# KiCad board impeller18.kicad_pcb
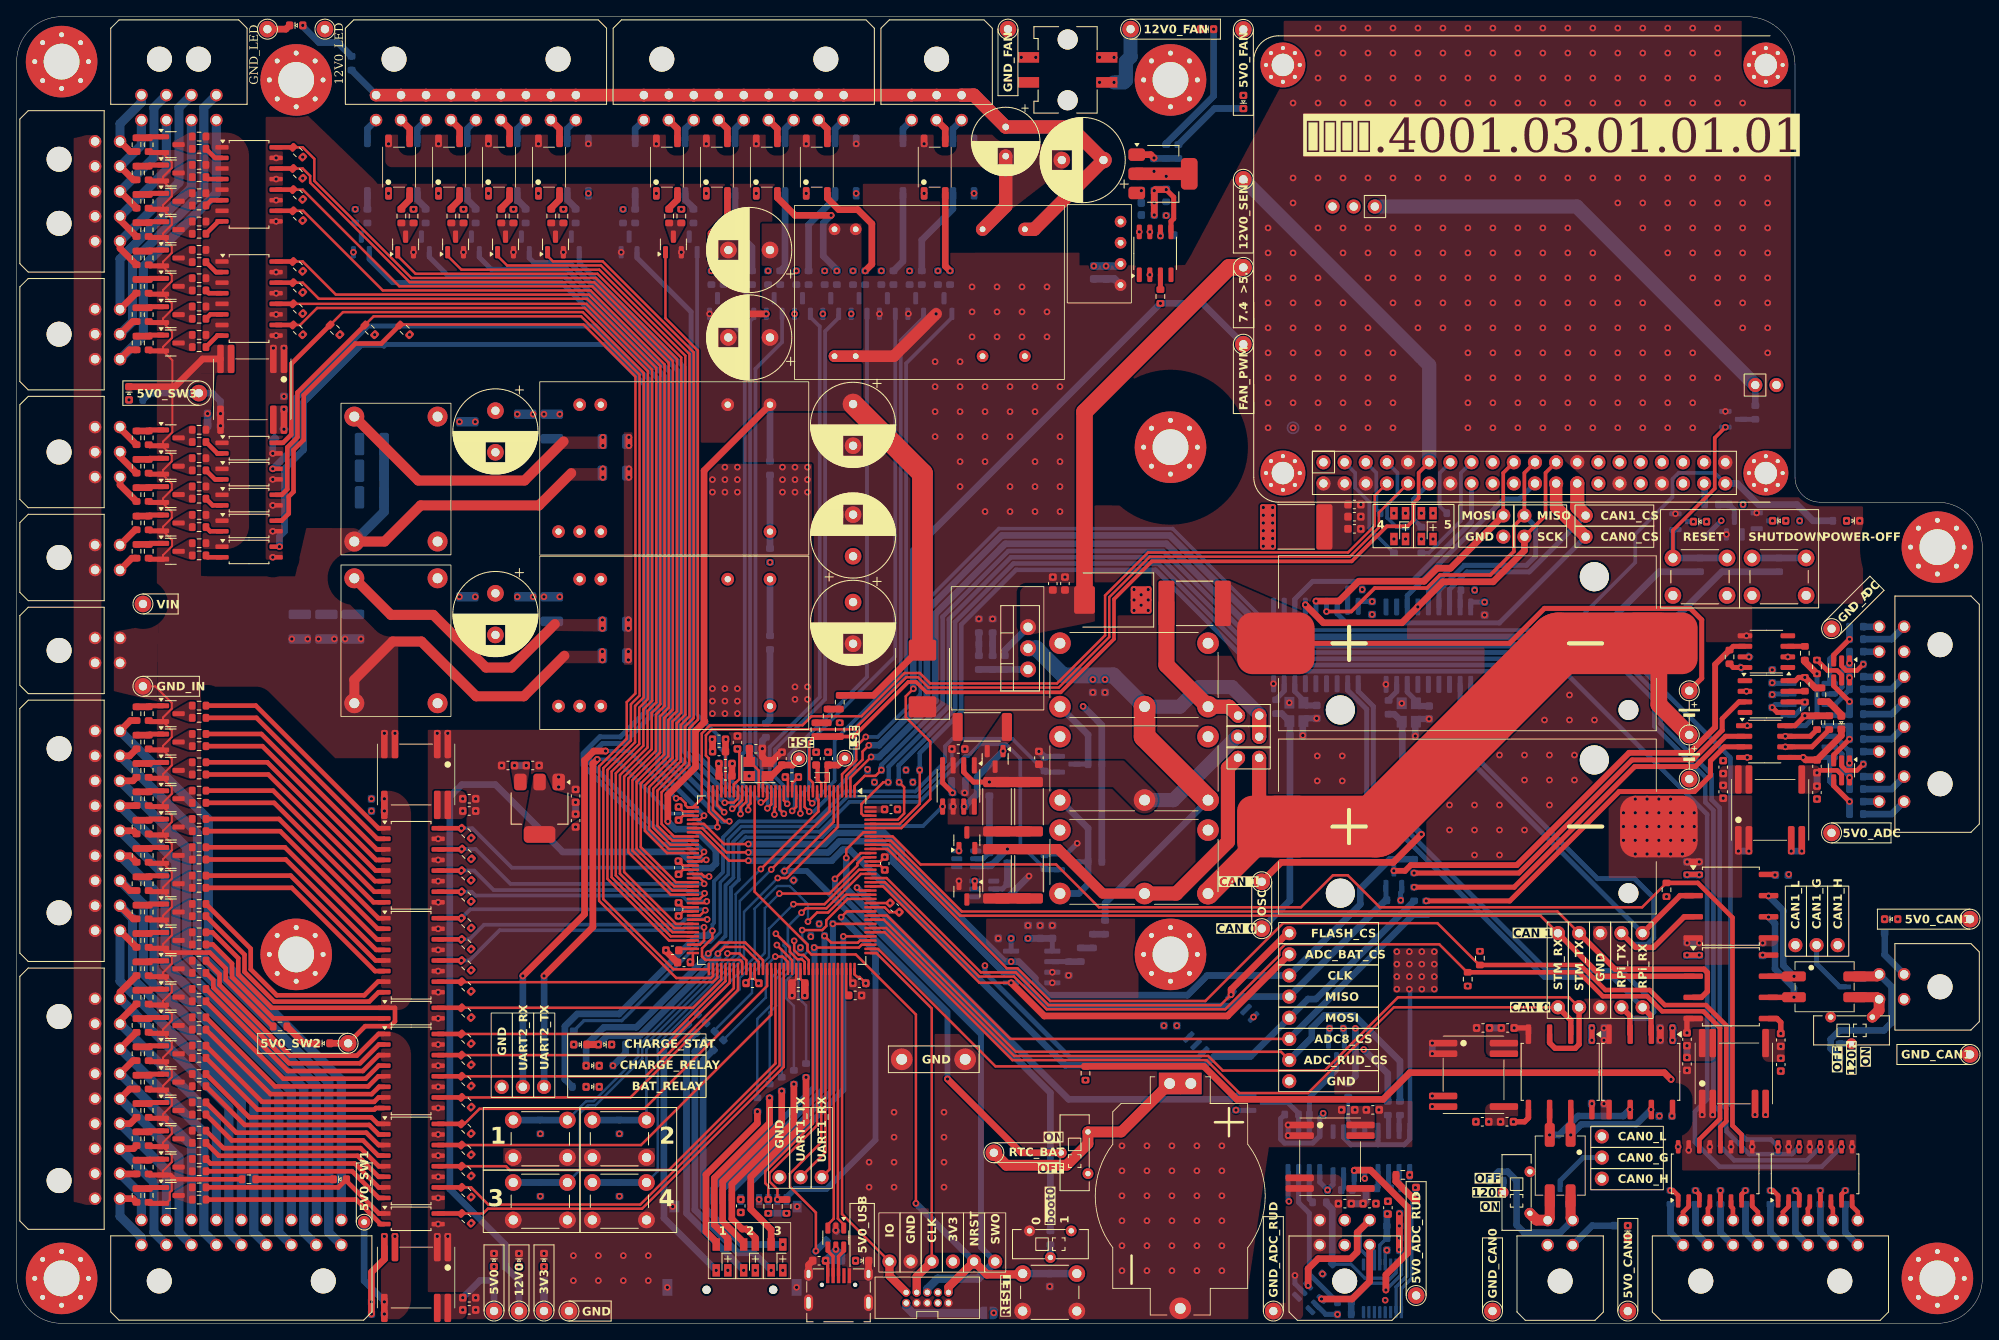
[diagram p0: board, top side]
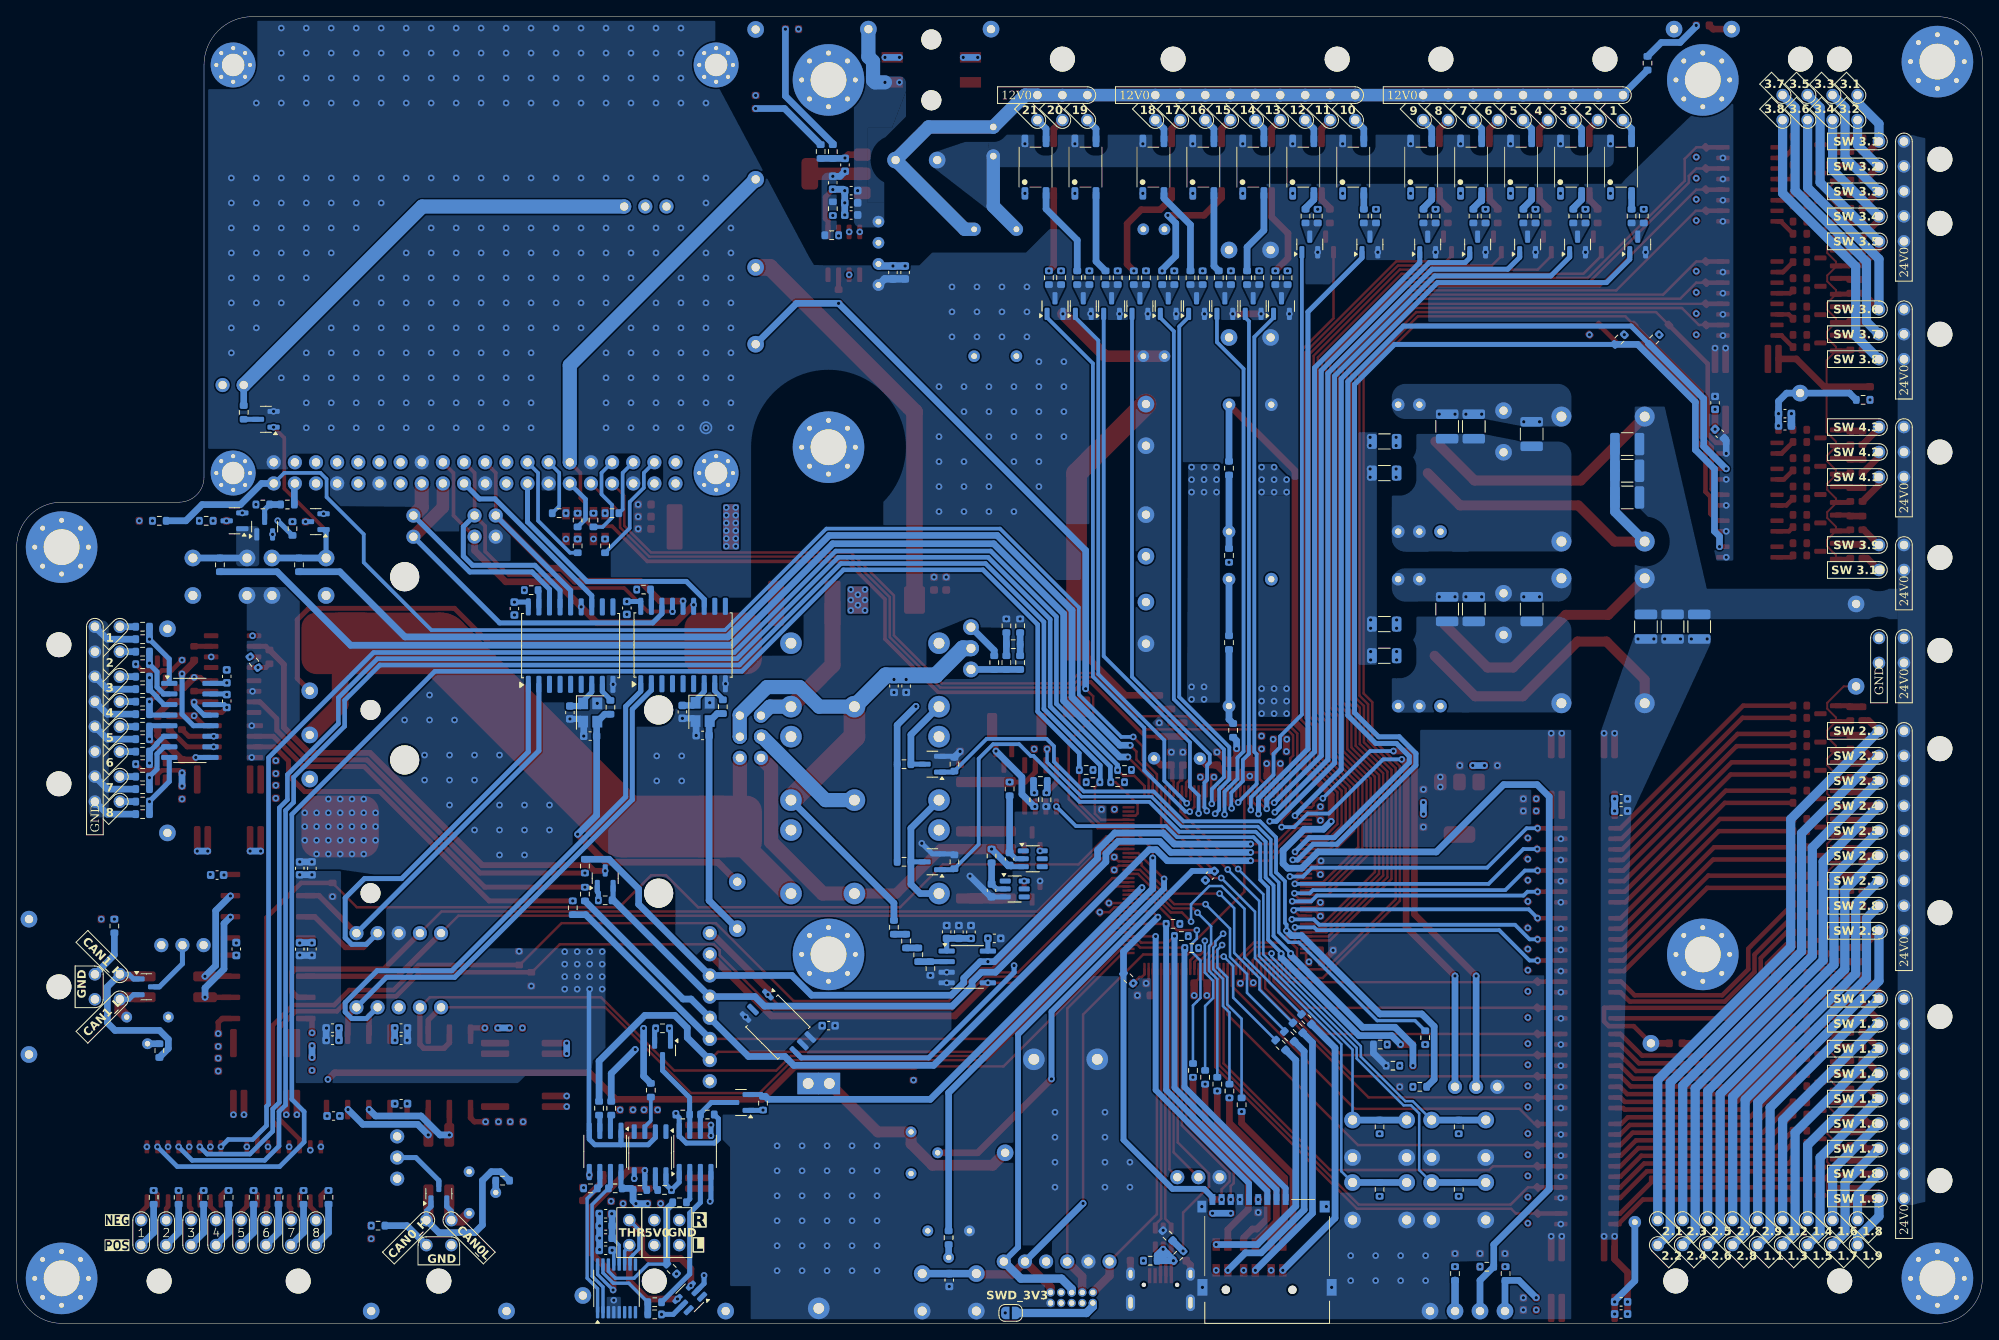
[diagram p1: board, bottom side, seen from below]

Outline 236.07 x 156.9 mm; copper layers: Top, In1.Cu, In2.Cu, Bottom. Coordinates in mm from the lower left corner of the outline.
Outline path: 0,151.5 arc(1.58,155.32) 5.4,156.9 207.77,156.9 arc(211.87,155.2) 213.57,151.1 213.57,101.6 arc(214.45,99.48) 216.57,98.6 230.68,98.6 arc(234.49,97.02) 236.07,93.2 236.07,5.4 arc(234.49,1.58) 230.68,0 5.4,0 arc(1.58,1.58) 0,5.4 0,151.5
Stack: Top 0.035mm / dielectric 0.1mm FR4 er 4.5 / In1.Cu 0.035mm / dielectric 1.24mm FR4 er 4.5 / In2.Cu 0.035mm / dielectric 0.1mm FR4 er 4.5 / Bottom 0.035mm

## Placement (name value [footprint] x y rotation side)
BT1  -  [DS1092-07-W6L]  139.74 15.3 90 top
BT2  Battery_Cell  [bat_18350]  174.22 81.65 0 top
BT3  Battery_Cell  [bat_18350]  174.22 59.65 0 top
C1  2u2  [C_0603_1608Metric]  78.75 44.8 180 top
C2  2u2  [C_0603_1608Metric]  100.7 39.38 0 top
C3  4u7  [C_0603_1608Metric]  93.88 39.38 180 top
C4  100n  [C_0603_1608Metric]  93.1 65.6 0 top
C5  100n  [C_0603_1608Metric]  86.57 69.75 90 top
C6  100n  [C_0603_1608Metric]  79.5 61.22 90 top
C7  100n  [C_0603_1608Metric]  79.5 54.72 90 top
C8  100n  [C_0603_1608Metric]  79.5 49.72 90 top
C9  100n  [C_0603_1608Metric]  80.15 43.34 180 top
C10  100n  [C_0603_1608Metric]  88.38 40.84 180 top
C11  100n  [C_0603_1608Metric]  93.88 40.84 180 top
C12  100n  [C_0603_1608Metric]  101.2 40.84 180 top
C13  100n  [C_0603_1608Metric]  105.44 49.92 315 top
C14  100n  [C_0603_1608Metric]  104.26 55.22 270 top
C15  100n  [C_0603_1608Metric]  105.01 61.72 0 top
C16  100n  [C_0603_1608Metric]  92.76 53.75 315 bottom
C17  1u  [C_0603_1608Metric]  85.13 67.21 0 top
C18  100n  [C_0603_1608Metric]  85.13 65.75 0 top
C19  1u  [C_0603_1608Metric]  84.35 70.13 180 top
C20  100n  [C_0603_1608Metric]  84.35 68.67 180 top
C21  8p  [C_0603_1608Metric]  91.91 67.81 270 top
C22  15p  [C_0603_1608Metric]  97.47 67.81 270 top
C23  100n  [C_0603_1608Metric]  124.07 5.2 270 bottom
C24  15p  [C_0603_1608Metric]  96.01 67.81 270 top
C25  8p  [C_0603_1608Metric]  88.78 69 180 top
C26  4700p  [C_1206_3216Metric]  71.82 83.96 180 bottom
C27  1u  [C_0603_1608Metric]  59.02 66.98 180 top
C28  100n  [C_0603_1608Metric]  61.98 66.98 0 top
C29  4u7  [C_0603_1608Metric]  67.13 63.33 90 top
C30  100n  [C_0603_1608Metric]  67.13 60.37 270 top
C31  10u  [C_1210_3225Metric]  34 83.65 270 bottom
C32  10u  [C_1210_3225Metric]  37.2 83.65 270 bottom
C33  10u  [C_1210_3225Metric]  40.4 83.65 270 bottom
C34  10u  [C_1210_3225Metric]  54.13 85.76 270 bottom
C35  10u  [C_1210_3225Metric]  61.08 85.76 270 bottom
C36  47u  [CP_Radial_D10.0mm_P5.00mm]  57.5 87.66 270 top
C37  10u  [C_1210_3225Metric]  64.28 85.76 270 bottom
C38  68u  [CP_Radial_D10.0mm_P5.00mm]  100.45 86.61 270 top
C39  10u  [CP_Radial_D10.0mm_P5.00mm]  100.45 92.11 90 top
C40  4700p  [C_1206_3216Metric]  71.82 80.16 0 bottom
C41  4700p  [C_1206_3216Metric]  71.82 105.89 180 bottom
C42  4u7  [C_1210_3225Metric]  42.65 99.17 0 bottom
C43  4u7  [C_1210_3225Metric]  42.65 102.37 0 bottom
C44  4u7  [C_1210_3225Metric]  42.65 105.57 0 bottom
C45  4u7  [C_1210_3225Metric]  54.13 106.78 270 bottom
C46  4u7  [C_1210_3225Metric]  61.08 107.69 270 bottom
C47  47u  [CP_Radial_D10.0mm_P5.00mm]  57.5 109.59 270 top
C48  4u7  [C_1210_3225Metric]  64.28 107.69 270 bottom
C49  47u  [CP_Radial_D10.0mm_P5.00mm]  100.45 110.38 270 top
C50  10u  [CP_Radial_D10.0mm_P5.00mm#2]  90.48 118.38 180 top
C51  4700p  [C_1206_3216Metric]  71.82 102.09 0 bottom
C52  100n  [C_0603_1608Metric]  116.82 55.76 270 bottom
C53  100n  [C_0603_1608Metric]  122.77 67.9 90 top
C54  100n  [C_0603_1608Metric]  113.1 68.96 0 top
C55  100n  [C_0603_1608Metric]  118.99 51.98 270 bottom
C56  4u7  [C_0603_1608Metric]  129.25 76.53 270 bottom
C57  10u  [C_0603_1608Metric]  130.71 76.53 270 bottom
C58  10u  [C_0603_1608Metric]  125.9 88.83 90 top
C59  4u7  [C_0603_1608Metric]  124.44 88.83 90 top
C60  10u  [C_0603_1608Metric]  121.46 47 270 bottom
C61  100n  [C_0603_1608Metric]  124.38 47 270 bottom
C62  1u  [C_0603_1608Metric]  122.92 47 270 bottom
C63  100n  [C_0603_1608Metric]  118.66 46.23 0 bottom
C64  1u  [C_0603_1608Metric]  189.91 26.37 0 bottom
C65  1u  [C_0603_1608Metric]  189.91 35.45 0 bottom
C66  100n  [C_0603_1608Metric]  189.91 33.99 0 bottom
C67  100n  [C_0603_1608Metric]  162.79 85.9 270 bottom
C68  1u  [C_0603_1608Metric]  198.02 24.9 180 bottom
C69  1u  [C_0603_1608Metric]  198.14 35.45 180 bottom
C70  100n  [C_0603_1608Metric]  198.14 33.99 180 bottom
C71  22p  [C_0603_1608Metric]  156.12 73.42 90 bottom
C72  22p  [C_0603_1608Metric]  153.69 70.59 180 bottom
C73  100n  [C_0603_1608Metric]  178.98 24.2 0 top
C74  10u  [C_0603_1608Metric]  176.02 24.2 180 top
C75  10u  [C_0603_1608Metric]  179.07 35.47 0 top
C76  100n  [C_0603_1608Metric]  176.11 35.47 180 top
C77  1u  [C_0603_1608Metric]  209.7 44.95 90 bottom
C78  1u  [C_0603_1608Metric]  200.62 44.95 90 bottom
C79  100n  [C_0603_1608Metric]  202.08 44.95 90 bottom
C80  100n  [C_0603_1608Metric]  176.29 85.83 270 bottom
C81  1u  [C_0603_1608Metric]  212 53.83 0 bottom
C82  1u  [C_0603_1608Metric]  200.62 54.64 90 bottom
C83  100n  [C_0603_1608Metric]  202.08 54.64 90 bottom
C84  22p  [C_0603_1608Metric]  169.62 73.35 90 bottom
C85  22p  [C_0603_1608Metric]  167.19 70.52 180 bottom
C86  100n  [C_0603_1608Metric]  211.87 34.02 90 top
C87  10u  [C_0603_1608Metric]  211.87 31.06 270 top
C88  10u  [C_0603_1608Metric]  200.6 34.11 90 top
C89  100n  [C_0603_1608Metric]  200.6 31.15 270 top
C90  10u  [C_0603_1608Metric]  160.66 95.4 180 top
C91  1u  [C_0603_1608Metric]  160.66 96.86 180 top
C92  100n  [C_0603_1608Metric]  160.66 98.32 180 top
C93  100n  [C_0603_1608Metric]  43.39 2.58 180 bottom
C94  10u  [C_0603_1608Metric]  43.39 1.12 180 bottom
C95  10u  [C_0603_1608Metric]  54.35 1.61 0 top
C96  100n  [C_0603_1608Metric]  54.35 3.07 0 top
C97  100n  [C_0603_1608Metric]  43.39 61.52 180 bottom
C98  10u  [C_0603_1608Metric]  43.39 62.98 180 bottom
C99  10u  [C_0603_1608Metric]  54.35 61.52 0 top
C100  100n  [C_0603_1608Metric]  54.35 62.98 0 top
C101  100n  [C_0603_1608Metric]  23.71 109.23 180 bottom
C102  10u  [C_0603_1608Metric]  23.71 107.77 180 bottom
C103  10u  [C_0603_1608Metric]  32.1 110.53 90 bottom
C104  100n  [C_0603_1608Metric]  31.55 106.81 225 bottom
C105  47u  [CP_Radial_D10.0mm_P5.00mm]  90.48 128.88 180 top
C106  47u  [CP_Radial_D10.0mm_P5.00mm]  130.52 139.68 180 top
C107  100u  [CP_Radial_D8.0mm_P3.50mm]  118.78 143.65 270 top
C108  100n  [C_0603_1608Metric]  216.21 66.88 90 top
C109  10u  [C_0603_1608Metric]  216.21 63.73 270 top
C110  10u  [C_0603_1608Metric]  204.95 66.79 90 top
C111  100n  [C_0603_1608Metric]  204.95 63.83 270 top
C112  100n  [C_0603_1608Metric]  210.84 74.73 270 bottom
C113  100n  [C_0603_1608Metric]  210.84 77.69 270 bottom
C114  100n  [C_0603_1608Metric]  162.47 14.38 0 top
C115  10u  [C_0603_1608Metric]  159.51 14.38 180 top
C116  10u  [C_0603_1608Metric]  162.87 25.64 0 top
C117  100n  [C_0603_1608Metric]  159.91 25.64 180 top
C118  100n  [C_0603_1608Metric]  165.33 8.78 0 bottom
C119  10n  [C_0603_1608Metric]  165.33 11.7 180 bottom
C120  100n  [C_0603_1608Metric]  165.33 10.24 180 bottom
C121  1u  [C_0603_1608Metric]  165.33 13.16 180 bottom
C122  100n  [C_0603_1608Metric]  86.97 14.09 270 top
C123  100n  [C_0603_1608Metric]  138.56 35.74 0 bottom
C124  100n  [C_0603_1608Metric]  96.38 7.52 180 top
C125  4u7  [C_0603_1608Metric]  129.37 126.19 90 bottom
C126  100n  [C_0603_1608Metric]  130.83 126.19 270 bottom
C128  4u7  [C_0603_1608Metric]  135.85 133.09 0 bottom
C129  1u  [C_0603_1608Metric]  135.85 134.55 0 bottom
C130  100n  [C_0603_1608Metric]  135.85 136.01 0 bottom
C131  4u7  [C_0603_1608Metric]  136.6 139.11 90 bottom
C132  100n  [C_0603_1608Metric]  138.06 136.95 270 bottom
D1  FYLS-0603BUGC  [LED_0603_1608Metric]  57.33 7.59 270 top
D2  FYLS-0603BUGC  [LED_0603_1608Metric]  63.33 7.59 270 top
D3  FYLS-0603BUGC  [LED_0603_1608Metric]  60.33 7.59 270 top
D4  ss54  [D_SMC]  108.78 77.44 90 top
D5  FYLS-0603BUGC  [LED_0603_1608Metric]  67.7 33.48 180 top
D6  FYLS-0603BUGC  [LED_0603_1608Metric]  70.66 33.48 180 top
D7  ss54  [D_SMC]  131.65 86.86 180 top
D8  PESD1CAN  [SOT-23]  185.37 15.57 90 bottom
D9  FYLS-0603BUGC  [LED_0603_1608Metric]  193.49 10.94 270 top
D10  PESD1CAN  [SOT-23]  220.5 40.41 180 bottom
D11  FYLS-0603BUGC  [LED_0603_1608Metric]  225.13 48.53 0 top
D12  FYLS-3528RGBC  [LED_RGB_promelec]  166.1 95.73 90 top
D13  FYLS-3528RGBC  [LED_RGB_promelec]  169.4 95.73 90 top
D14  FYLS-0603BUGC  [LED_0603_1608Metric]  38.82 17.3 0 top
D15  FYLS-0603BUGC  [LED_0603_1608Metric]  36.83 33.63 0 top
D16  FYLS-0603BUGC  [LED_0603_1608Metric]  13.5 111.68 270 top
D17  FYLS-0603BUGC  [LED_0603_1608Metric]  33.57 155.85 0 top
D18  FYLS-0603BUGC  [LED_0603_1608Metric]  219.14 72.13 90 top
D19  FYLS-0603BUGC  [LED_0603_1608Metric]  168.06 15.54 90 top
D20  FYLS-3528RGBC  [LED_RGB_promelec]  84.71 7.91 90 top
D21  FYLS-3528RGBC  [LED_RGB_promelec]  91.31 7.91 90 top
D22  FYLS-3528RGBC  [LED_RGB_promelec]  88.01 7.91 90 top
D24  FYLS-0603BUGC  [LED_0603_1608Metric]  142.96 155.4 180 top
D25  FYLS-0603BUGC  [LED_0603_1608Metric]  147.32 146.65 90 top
D26  FYLS-0603BUGC  [LED_0603_1608Metric]  69.18 30.94 180 top
D27  FYLS-0603BUGC  [LED_0603_1608Metric]  69.18 28.4 180 top
D28  FYLS-0603BUGC  [LED_0603_1608Metric]  101.54 7.52 180 top
D29  FYLS-0603BUGC  [LED_0603_1608Metric]  202.16 96.26 0 top
D30  FYLS-0603BUGC  [LED_0603_1608Metric]  220.56 96.36 180 top
D31  FYLS-0603BUGC  [LED_0603_1608Metric]  211.66 96.36 0 top
F1  MF-LSMF300/24X-2  [Fuse_2920_7451Metric]  141.47 86.45 0 top
F2  MF-LSMF300/24X-2  [Fuse_2920_7451Metric]  153.67 95.64 180 top
H1  M4  [MountingHole_M4_protected]  5.4 5.4 270 top
H2  M4  [MountingHole_M4_protected]  5.4 151.5 270 top
H3  M4  [MountingHole_M4_protected]  230.68 93.2 270 top
H4  M4  [MountingHole_M4_protected]  230.68 5.4 270 top
H5  M2.5  [MountingHole_2.7mm_M2.5_Pad_Via]  210.07 102.1 270 top
H6  M2.5  [MountingHole_2.7mm_M2.5_Pad_Via]  210.07 151.1 270 top
H7  M2.5  [MountingHole_2.7mm_M2.5_Pad_Via]  152.07 151.1 270 top
H8  M2.5  [MountingHole_2.7mm_M2.5_Pad_Via]  152.07 102.1 270 top
H9  M4  [MountingHole_M4_PCHSS4-22]  138.57 149.3 270 top
H10  M4  [MountingHole_M4_PCHSS4-22]  138.57 44.3 270 top
H11  M4  [MountingHole_M4_PCHSS4-22]  33.57 149.3 270 top
H12  M4  [MountingHole_M4_PCHSS4-22]  33.57 44.3 270 top
H13  M4  [MountingHole_M4_protected]  138.57 105.2 0 top
J1  PLS-6  [PinHeader_1x06_P2.54mm_Vertical]  104.82 7.42 90 top
J2  BH1,27-10-G  [PinHeader_2x05_P1.27mm_Vertical_mod]  106.83 2.44 90 top
J3  PLS-3  [PinHeader_1x03_P2.54mm_Vertical]  96.69 17.55 270 top
J4  PLS-8  [PinHeader_1x08_P2.54mm_Vertical]  152.83 46.85 0 top
J5  PLS-3  [PinHeader_1x03_P2.54mm_Vertical]  63.33 28.4 270 top
J6  -  [430450400]  9.42 79.3 90 top
J7  PLS-2  [PinHeader_1x02_P2.54mm_Vertical]  146.68 70.44 90 top
J8  PLS-2  [PinHeader_1x02_P2.54mm_Vertical]  149.23 72.98 270 top
J9  PLS-2  [PinHeader_1x02_P2.54mm_Vertical]  146.68 67.9 90 top
J10  -  [430450400]  186.87 9.39 180 top
J11  PLS-3  [PinHeader_1x03_P2.54mm_Vertical]  190.37 22.45 0 top
J12  PLS-5  [PinHeader_1x05_P2.54mm_Vertical]  195.27 37.95 270 top
J13  -  [430450400]  226.68 41.91 270 top
J14  PLS-3  [PinHeader_1x03_P2.54mm_Vertical]  213.62 45.41 90 top
J15  PLS-5  [PinHeader_1x05_P2.54mm_Vertical]  195.27 46.85 270 top
J17  Raspberry Pi 4  [RPi]  156.94 103.39 90 top
J18  -  [430451800]  9.42 14.98 90 top
J19  -  [430451800]  38.99 9.41 180 top
J20  -  [430451800]  9.42 47.14 90 top
J21  -  [430451000]  9.42 129.92 90 top
J22  -  [430450800]  14.99 147.48 0 top
J23  -  [430450600]  9.42 115.77 90 top
J24  -  [430450400]  9.42 90.46 90 top
J25  -  [430450600]  9.42 101.62 90 top
J26  -  [430450600]  107.48 147.48 0 top
J27  -  [430451800]  43.16 147.48 0 top
J28  -  [430451800]  75.32 147.48 0 top
J29  -  [430451600]  226.68 83.65 270 top
J30  -  [430450600]  162.49 9.39 180 top
J31  -  [430451600]  221.12 9.39 180 top
J32  TF-01  [TF01A-NEW]  78.15 4.32 90 bottom
J33  USB_B_Micro  [U-F-M5DD-W-2-SUS]  98.7 2.47 180 top
J34  -  [430450415]  126.22 150.51 90 top
J35  PBD-2  [PinSocket_1x02_P2.54mm_Vertical]  208.8 112.67 90 top
J36  PBD-3  [PinSocket_1x03_P2.54mm_Vertical]  163.11 134.1 270 top
J37  PLS-2  [PinHeader_1x02_P2.54mm_Vertical]  188.42 94.45 180 top
J38  PLS-4  [PinHeader_2x02_P2.54mm_Vertical]  181.08 97 270 top
JP1  SolderJumper2  [SolderJumper-2_P1.3mm_Open_RoundedPad1.0x1.5mm]  116.7 1.25 180 bottom
K1  -  [1393219-3]  135.46 70.45 0 top
K2  -  [1393219-3]  135.46 81.67 0 top
K3  -  [1393219-3]  135.46 59.23 0 top
L1  -  [B82721-K2222-U30]  45.55 81.96 90 top
L2  -  [B82721-K2222-U30]  45.55 101.38 90 top
L3  -  [B82790C0513N201]  185.37 18.94 270 top
L4  -  [B82790C0513N201]  217.13 40.41 0 top
L5  27n  [C_0603_1608Metric]  164.68 13.89 90 top
Q1  BSS138  [SOT-23]  126.1 55.42 0 bottom
Q2  BSS138  [SOT-23]  126.1 67.14 0 bottom
Q3  AO3401A  [SOT-23]  117.51 67.78 270 top
Q4  BSS138  [SOT-23]  114.12 58.01 90 top
Q5  BSS138  [SOT-23]  114.12 51.83 270 top
Q6  BSS138  [SOT-23]  18.51 42.58 0 top
Q7  BSS138  [SOT-23]  18.51 73.2 0 top
Q8  BSS138  [SOT-23]  18.51 39.17 0 top
Q9  BSS138  [SOT-23]  18.51 69.8 0 top
Q10  BSS138  [SOT-23]  18.51 35.77 0 top
Q11  BSS138  [SOT-23]  18.51 66.4 0 top
Q12  BSS138  [SOT-23]  18.51 32.37 0 top
Q13  BSS138  [SOT-23]  18.51 63 0 top
Q14  BSS138  [SOT-23]  18.51 28.97 0 top
Q15  BSS138  [SOT-23]  18.51 59.59 0 top
Q16  BSS138  [SOT-23]  18.51 25.57 0 top
Q17  BSS138  [SOT-23]  18.51 56.19 0 top
Q18  BSS138  [SOT-23]  18.51 22.17 0 top
Q19  BSS138  [SOT-23]  18.51 52.79 0 top
Q20  BSS138  [SOT-23]  18.51 18.76 0 top
Q21  BSS138  [SOT-23]  18.51 49.39 0 top
Q22  BSS138  [SOT-23]  18.51 15.36 0 top
Q23  BSS138  [SOT-23]  18.51 45.99 0 top
Q24  BSS138  [SOT-23]  18.51 141.53 0 top
Q25  BSS138  [SOT-23]  18.51 138.13 0 top
Q26  BSS138  [SOT-23]  18.51 134.73 0 top
Q27  BSS138  [SOT-23]  18.51 131.33 0 top
Q28  BSS138  [SOT-23]  18.51 127.93 0 top
Q29  BSS138  [SOT-23]  18.51 124.52 0 top
Q30  BSS138  [SOT-23]  18.51 121.12 0 top
Q31  BSS138  [SOT-23]  18.51 117.72 0 top
Q32  BSS138  [SOT-23]  18.51 96.11 0 top
Q33  BSS138  [SOT-23]  18.51 92.7 0 top
Q34  BSS138  [SOT-23]  18.51 99.52 0 top
Q35  BSS138  [SOT-23]  18.51 102.92 0 top
Q36  BSS138  [SOT-23]  18.51 106.32 0 top
Q37  BSS138  [SOT-23]  41.39 129.55 90 bottom
Q38  BSS138  [SOT-23]  73.55 129.55 90 bottom
Q39  BSS138  [SOT-23]  104.57 122.15 90 bottom
Q40  BSS138  [SOT-23]  46.71 129.55 90 top
Q41  BSS138  [SOT-23]  78.87 129.55 90 top
Q42  BSS138  [SOT-23]  111.37 122.15 90 bottom
Q43  BSS138  [SOT-23]  48.61 129.55 90 bottom
Q44  BSS138  [SOT-23]  80.77 129.55 90 bottom
Q45  BSS138  [SOT-23]  107.97 122.15 90 bottom
Q46  BSS138  [SOT-23]  52.71 129.55 90 top
Q47  BSS138  [SOT-23]  84.17 122.15 90 bottom
Q48  BSS138  [SOT-23]  54.61 129.55 90 bottom
Q49  BSS138  [SOT-23]  87.57 122.15 90 bottom
Q50  BSS138  [SOT-23]  58.71 129.55 90 top
Q51  BSS138  [SOT-23]  97.77 122.15 90 bottom
Q52  BSS138  [SOT-23]  60.61 129.55 90 bottom
Q53  BSS138  [SOT-23]  90.97 122.15 90 bottom
Q54  BSS138  [SOT-23]  64.71 129.55 90 top
Q55  BSS138  [SOT-23]  101.17 122.15 90 bottom
Q56  BSS138  [SOT-23]  66.61 129.55 90 bottom
Q57  BSS138  [SOT-23]  94.37 122.15 90 bottom
Q58  BSS138  [SOT-23]  165.39 53.45 90 bottom
Q59  BSS138  [SOT-23]  158.5 32.77 270 bottom
Q60  BSS138  [SOT-23]  149.09 26.52 0 bottom
Q61  BSS138  [SOT-23]  206.15 108.56 0 bottom
Q62  BSS138  [SOT-23]  200.15 96.26 0 bottom
Q64  BSS138  [SOT-23]  206.29 95.67 90 bottom
Q66  BSS138  [SOT-23]  209.91 96.36 0 bottom
R1  10k  [R_0603_1608Metric]  124.15 10.28 270 bottom
R2  10k  [R_0603_1608Metric]  62.89 23.59 270 bottom
R3  10k  [R_0603_1608Metric]  72.39 23.59 270 bottom
R4  10k  [R_0603_1608Metric]  62.89 16.09 270 bottom
R5  10k  [R_0603_1608Metric]  72.39 16.09 270 bottom
R6  PWR_REG  [R_0603_1608Metric]  90.48 81.74 270 bottom
R7  PWR_REG  [R_0603_1608Metric]  89.98 71.2 270 bottom
R8  360  [R_0603_1608Metric]  57.26 5.98 270 bottom
R9  220  [R_0603_1608Metric]  63.33 5.98 90 bottom
R10  470  [R_0603_1608Metric]  59.51 6.81 0 bottom
R11  PWR_REG  [R_0603_1608Metric]  90.48 102.69 270 bottom
R12  10k  [R_0603_1608Metric]  129.5 55.42 180 bottom
R13  10k  [R_0603_1608Metric]  123.45 55.42 270 bottom
R14  PWR_REG  [R_0603_1608Metric]  90.48 92.21 270 bottom
R15  10k  [R_0603_1608Metric]  129.5 67.14 180 bottom
R16  10k  [R_0603_1608Metric]  123.45 67.14 270 bottom
R17  100  [R_0603_1608Metric]  116.82 64.17 90 bottom
R18  130  [R_2512_6332Metric]  121.58 62.03 90 top
R19  130  [R_2512_6332Metric]  117.74 62.03 270 top
R20  0m62  [R_2512_6332Metric]  115.96 71.62 0 top
R21  1k  [R_0603_1608Metric]  113.86 62.88 90 bottom
R22  10k  [R_0603_1608Metric]  113.13 65.12 0 bottom
R23  100  [R_0603_1608Metric]  118.99 56.12 90 bottom
R24  10k  [R_0603_1608Metric]  112.4 62.88 90 bottom
R25  130  [R_2512_6332Metric]  121.58 53.98 90 top
R26  130  [R_2512_6332Metric]  117.74 53.98 270 top
R27  470  [R_0603_1608Metric]  66.91 34.3 90 bottom
R28  470  [R_0603_1608Metric]  72.31 33.48 180 bottom
R29  120  [R_0603_1608Metric]  118.67 79.34 270 bottom
R30  10k  [R_0603_1608Metric]  98.85 74.58 90 top
R31  390  [R_0603_1608Metric]  115.56 79.34 90 bottom
R32  10k  [R_0603_1608Metric]  97.39 72.93 90 top
R33  1M  [R_0603_1608Metric]  130.72 47.56 90 bottom
R34  10k  [R_0603_1608Metric]  95.93 71.28 90 top
R35  1M  [R_0603_1608Metric]  129.26 45.91 90 bottom
R36  1M  [R_0603_1608Metric]  127.8 44.26 90 bottom
R37  10k  [R_0603_1608Metric]  98.85 71.28 270 top
R38  1M  [R_0603_1608Metric]  126.34 42.61 270 bottom
R39  120  [R_0603_1608Metric]  177.71 17.14 0 bottom
R40  0  [R_0603_1608Metric]  151.26 74.04 90 bottom
R41  10k  [R_0603_1608Metric]  160.78 88.11 180 bottom
R42  360  [R_0603_1608Metric]  192.67 11.73 0 bottom
R43  120  [R_0603_1608Metric]  218.93 32.75 90 bottom
R44  0  [R_0603_1608Metric]  164.76 73.97 90 bottom
R45  10k  [R_0603_1608Metric]  174.28 88.04 180 bottom
R46  360  [R_0603_1608Metric]  224.34 47.71 90 bottom
R47  220  [R_0603_1608Metric]  166.8 96.45 270 bottom
R48  220  [R_0603_1608Metric]  164.58 97.28 180 bottom
R49  220  [R_0603_1608Metric]  165.4 93.35 270 bottom
R50  220  [R_0603_1608Metric]  170.93 97.28 0 bottom
R51  220  [R_0603_1608Metric]  168.7 96.45 270 bottom
R52  220  [R_0603_1608Metric]  168.7 93.35 270 bottom
R53  1M  [R_0603_1608Metric]  14.4 42.58 270 top
R54  1M  [R_0603_1608Metric]  14.4 73.2 270 top
R55  360k  [R_0603_1608Metric]  15.86 42.58 90 top
R56  360k  [R_0603_1608Metric]  15.86 73.2 90 top
R57  10k  [R_0603_1608Metric]  21.91 43.55 180 top
R58  10k  [R_0603_1608Metric]  21.91 74.17 180 top
R59  360  [R_0603_1608Metric]  21.91 42.08 0 top
R60  360  [R_0603_1608Metric]  21.91 72.71 0 top
R61  1M  [R_0603_1608Metric]  14.4 39.17 270 top
R62  1M  [R_0603_1608Metric]  14.4 69.8 270 top
R63  360k  [R_0603_1608Metric]  15.86 39.17 90 top
R64  10k  [R_0603_1608Metric]  54 34.16 315 top
R65  360k  [R_0603_1608Metric]  15.86 69.8 90 top
R66  10k  [R_0603_1608Metric]  54 58.86 315 top
R67  10k  [R_0603_1608Metric]  21.91 40.14 180 top
R68  10k  [R_0603_1608Metric]  21.91 70.77 180 top
R69  360  [R_0603_1608Metric]  21.91 38.68 0 top
R70  360  [R_0603_1608Metric]  21.91 69.31 0 top